# Altium PCB PROC054D_MMWCAS_RF_EVM_ASCII.PcbDoc (part 1 of 13) (continued)
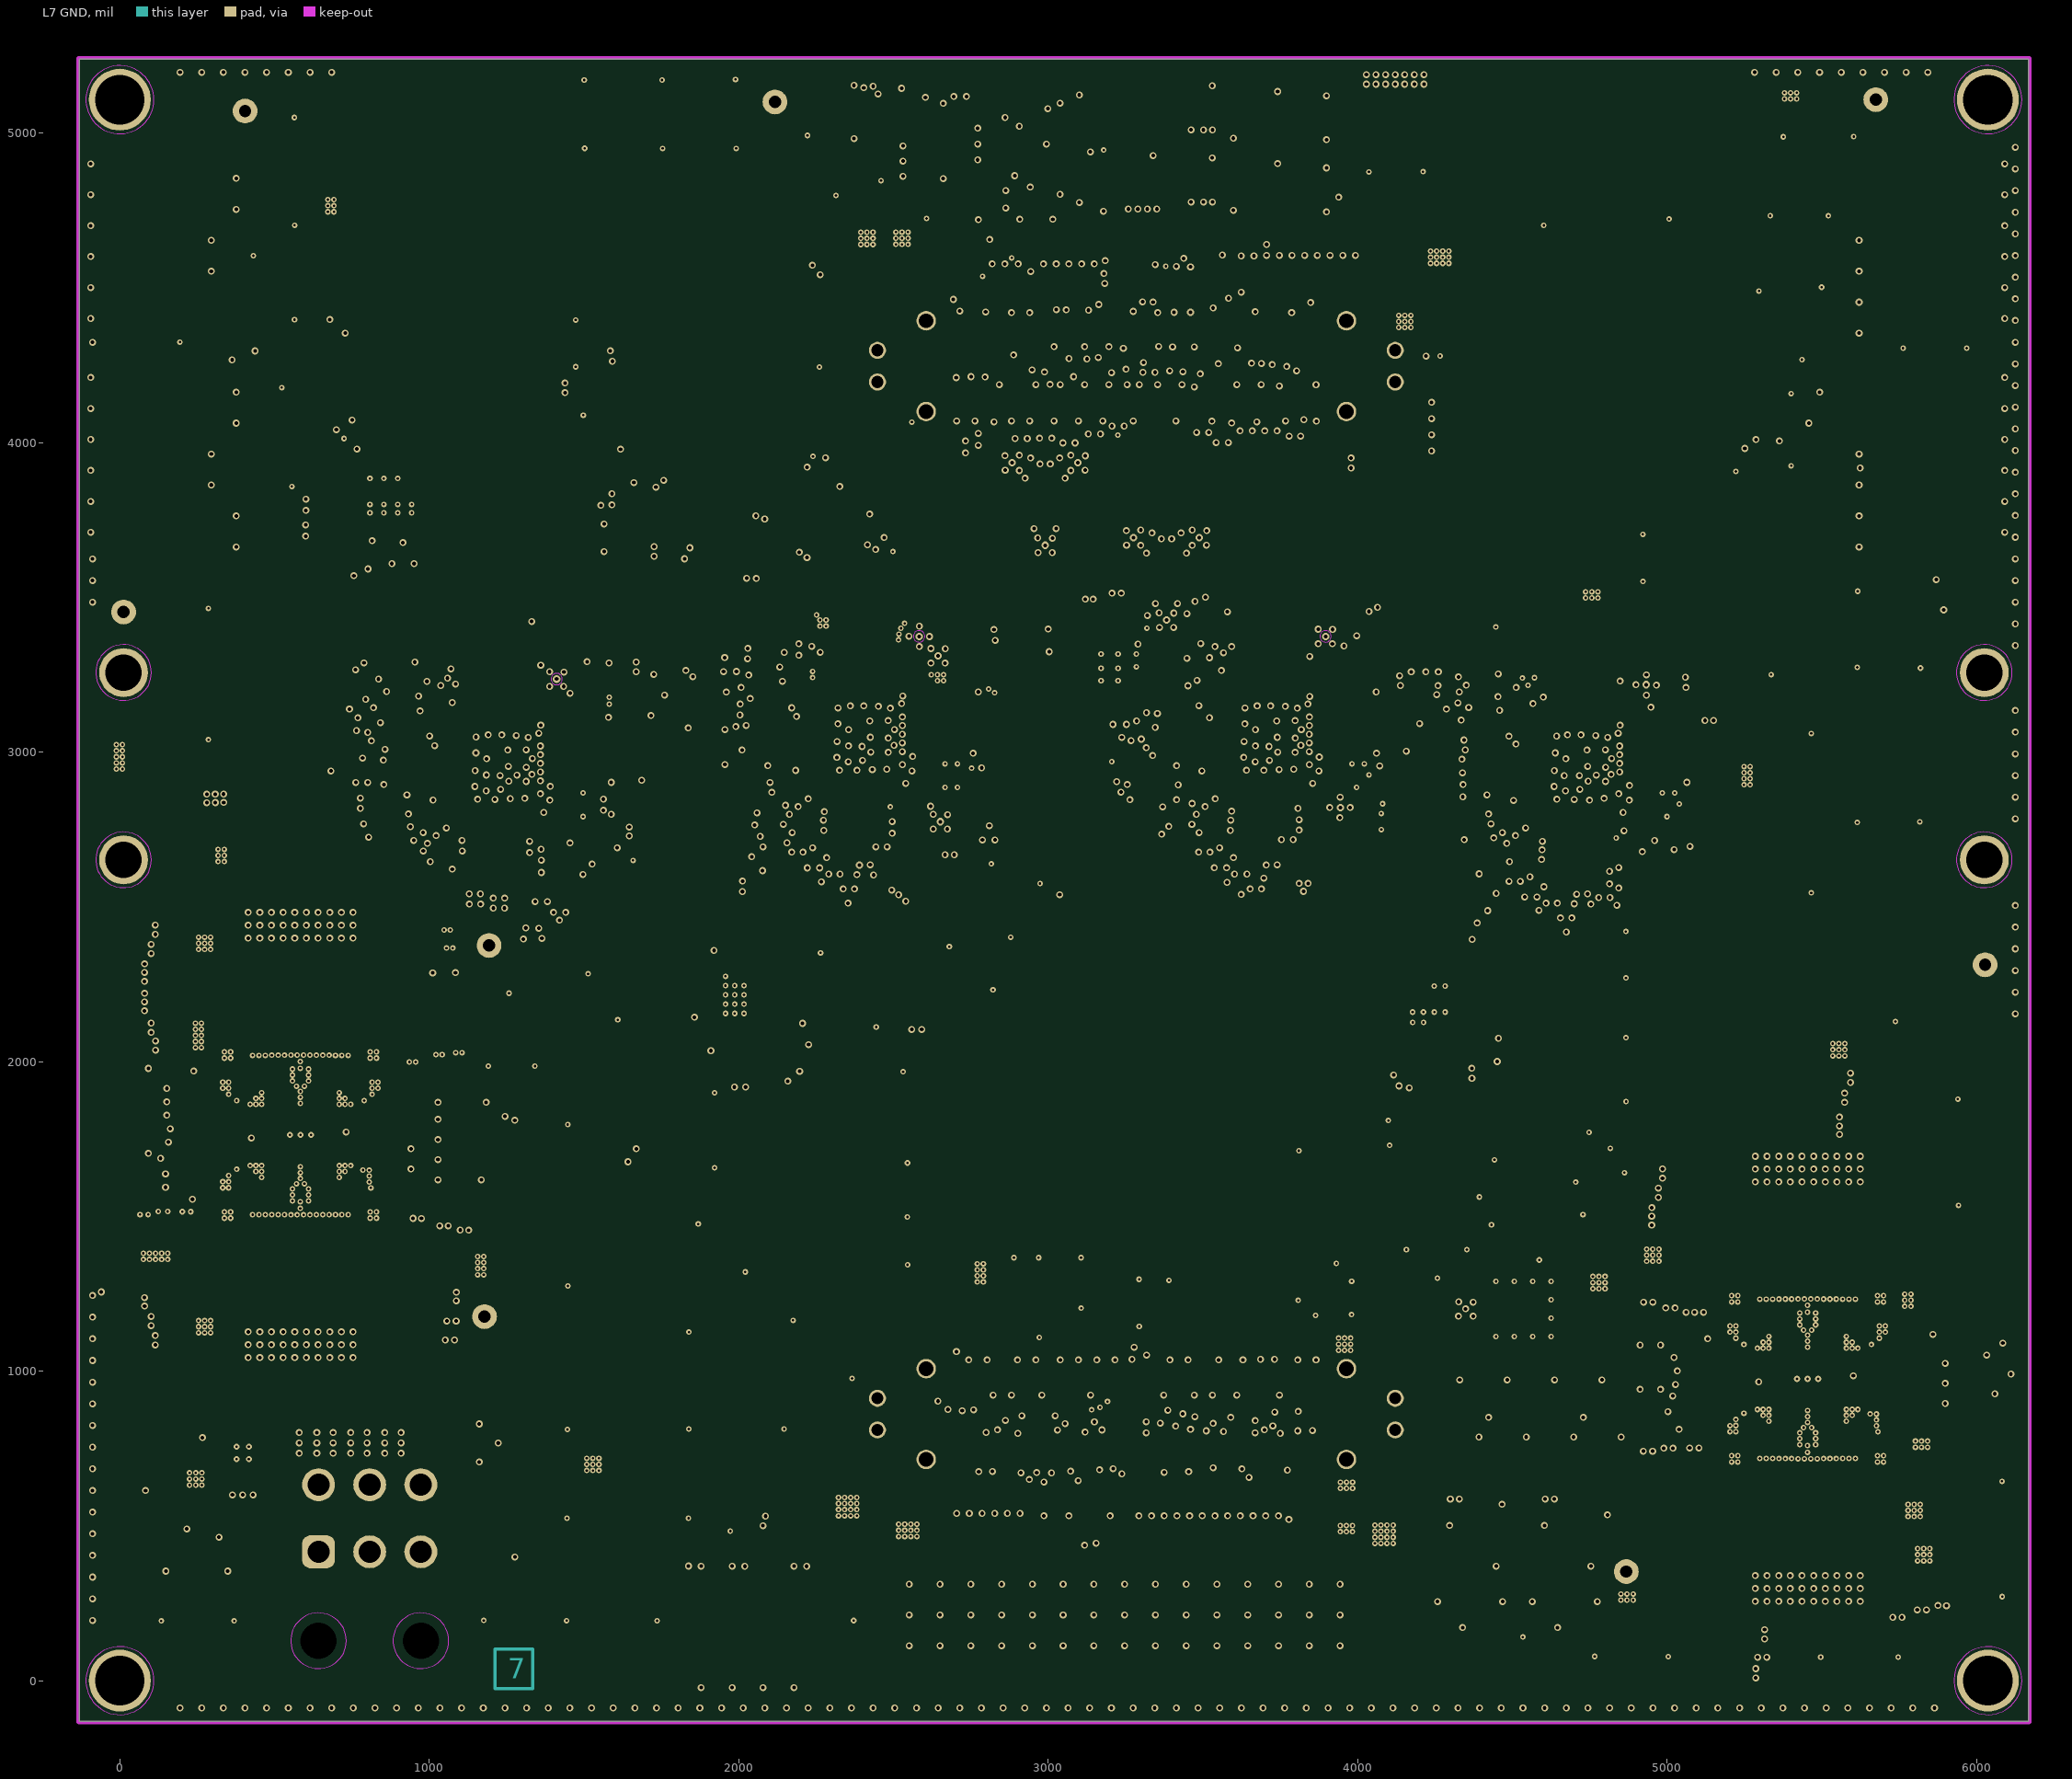
[diagram p7: L7 GND]

## Layer stack, top to bottom
Top Solder: solder mask 0.8, Solder Resist, Dk 3.5
L1 TOP: signal copper 1.6
Dielectric 1: core 5, RO3003, Dk 3
L2 GND: signal copper 0.8
Dielectric2: prepreg 5, RO4450F, Dk 4.2
L3 SIGNAL 1: signal copper 0.6
Dielectric3: core 10.7, RO4835 LOPRO, Dk 3.66
L4 GND: signal copper 0.6
Dielectric4: prepreg 5, 370HR, Dk 4.2
L5 SIGNAL 2: signal copper 1.2
Dielectric5: core 10, 370HR, Dk 4.34
L6 SIGNAL 3: signal copper 0.6
Dielectric6: prepreg 5, 370HR, Dk 4.2
L7 GND: signal copper 0.8
Dielectric7: core 5, 370HR, Dk 4.34
L8 BOTTOM: signal copper 1.6
Bottom Solder: solder mask 0.8, Solder Resist, Dk 3.5

## Board outline
-131,-131 6168.21,-131 6168.21,5239.07 -131,5239.07

## Design rules (kind name [scope] priority, off if disabled: settings)
AcuteAngle [All] p0: scope1count=1 scope1_0_kind=Board scope1_0_value=Board scope2count=1 scope2_0_kind=Board scope2_0_value=Board commentlength=0 minimum=4.00000000000000E+0001
AcuteAngle [All] p1: minimum=4.00000000000000E+0001 checktracksonly=TRUE
AssemblyTestPointUsage [All] p0: scope1count=1 scope1_0_kind=Board scope1_0_value=Board scope2count=1 scope2_0_kind=Board scope2_0_value=Board commentlength=0
AssemblyTestpoint [All] p0: scope1count=1 scope1_0_kind=Board scope1_0_value=Board scope2count=1 scope2_0_kind=Board scope2_0_value=Board commentlength=0
BoardOutlineClearance [All] p0: scope1count=1 scope1_0_kind=Board scope1_0_value=Board scope2count=1 scope2_0_kind=Board scope2_0_value=Board commentlength=0 gap=25
BoardOutlineClearance [All] p1: gap=25 ignorepadtopadclearanceinfootprint=FALSE except(0: Text-OutlineEdge Text-CavityEdge Text-CutoutEdge Text-SplitBarrior Text-SplitContinuation)
Clearance Clearance_FMCW_L3_All [All] p0 off: scope1count=1 scope1_0_kind=Board scope1_0_value=Board scope2count=1 scope2_0_kind=Board scope2_0_value=Board commentlength=104 gap=50 // Protel DXP Scope 1 Expression Was: InNetClass('FMCW') and (istrack or IsArc)  and InLayerClass('L3')
Clearance Clearance_GND-Pad [All] p0 off: scope1count=1 scope1_0_kind=Board scope1_0_value=Board scope2count=1 scope2_0_kind=Board scope2_0_value=Board commentlength=45 gap=9 // Protel DXP Scope 2 Expression Was: InPoly
Clearance Clearance_L8_Diff_4W [All] p0 off: scope1count=1 scope1_0_kind=Board scope1_0_value=Board scope2count=1 scope2_0_kind=Board scope2_0_value=Board commentlength=73 gap=21 // Protel DXP Scope 2 Expression Was: Istrack and InLayerClass('Bottom')
Clearance Clearance_L6_Diff_4W [All] p0 off: scope1count=1 scope1_0_kind=Board scope1_0_value=Board scope2count=1 scope2_0_kind=Board scope2_0_value=Board commentlength=69 gap=16 // Protel DXP Scope 2 Expression Was: Istrack and InLayerClass('L6')
Clearance "Clearance_Power Divider_1" [All] p0 off: scope1count=1 scope1_0_kind=Board scope1_0_value=Board scope2count=1 scope2_0_kind=Board scope2_0_value=Board commentlength=87 gap=8 // Protel DXP Scope 2 Expression Was: InNet('GND') and InLayerClass('Top')  and InPoly
Clearance "Clearance_Power Divider" [All] p0 off: scope1count=1 scope1_0_kind=Board scope1_0_value=Board scope2count=1 scope2_0_kind=Board scope2_0_value=Board commentlength=115 gap=7 // Protel DXP Scope 1 Expression Was: InLayerClass('Top') and All and (WithinRoom('Room5') or WithinRoom('Room6'))
Clearance Clearance_FMCW_L3_All_Room [All] p0 off: scope1count=1 scope1_0_kind=Board scope1_0_value=Board scope2count=1 scope2_0_kind=Board scope2_0_value=Board commentlength=227 gap=8 // Protel DXP Scope 2 Expression Was: IsVia and (WithinRoom('A1') or WithinRoom('A2') or WithinRoom('A3') or WithinRoom('A4') or WithinRoom('A5') or WithinRoom('A6') or WithinRoom('A7') or WithinRoom('A8') or WithinRoom('A9'))
Clearance Clearance_20GHz [All] p0 off: scope1count=1 scope1_0_kind=Board scope1_0_value=Board scope2count=1 scope2_0_kind=Board scope2_0_value=Board commentlength=62 gap=7 // Protel DXP Scope 2 Expression Was: InPoly and InNet('GND')
Clearance "Clearance_Internal Poly" [All] p0 off: scope1count=1 scope1_0_kind=Board scope1_0_value=Board scope2count=1 scope2_0_kind=Board scope2_0_value=Board commentlength=139 gap=5 // Protel DXP Scope 2 Expression Was: isvia and (WithinRoom('Room1') or WithinRoom('Room2') or WithinRoom('Room3') or WithinRoom('Room4'))
Clearance Clearance_FMCW_L3_Poly [All] p0 off: scope1count=1 scope1_0_kind=Board scope1_0_value=Board scope2count=1 scope2_0_kind=Board scope2_0_value=Board commentlength=80 gap=200 // Protel DXP Scope 2 Expression Was: (isarc or istrack) AND InNetClass('FMCW')
Clearance Clearance_Keepout [All] p0 off: scope1count=1 scope1_0_kind=Board scope1_0_value=Board scope2count=1 scope2_0_kind=Board scope2_0_value=Board commentlength=48 gap=1 // Protel DXP Scope 1 Expression Was: IsKeepOut
Clearance Clearance_Antenna [All] p0 off: scope1count=1 scope1_0_kind=NetClass scope1_0_value=Antenna scope2count=1 scope2_0_kind=Board scope2_0_value=Board commentlength=86 gap=10 // Protel DXP Scope 2 Expression Was: InPoly and InNet('GND') and InLayerClass('Top')
Clearance Clearance_Poly [All] p0 off: scope1count=1 scope1_0_kind=Board scope1_0_value=Board scope2count=1 scope2_0_kind=Board scope2_0_value=Board commentlength=48 gap=10 // Protel DXP Scope 2 Expression Was: InPolygon
Clearance Clearance_BGA [All] p0 off: scope1count=1 scope1_0_kind=Board scope1_0_value=Board scope2count=1 scope2_0_kind=Board scope2_0_value=Board commentlength=137 gap=4 // Protel DXP Scope 1 Expression Was: (WithinRoom('Room1') or WithinRoom('Room2') or WithinRoom('Room3') or WithinRoom('Room4')) and All
Clearance [All] p0: scope1count=1 scope1_0_kind=Board scope1_0_value=Board scope2count=1 scope2_0_kind=Board scope2_0_value=Board commentlength=0 gap=5
Clearance Clearance_L3_4W [All] p0 off: scope1count=1 scope1_0_kind=Board scope1_0_value=Board scope2count=1 scope2_0_kind=Board scope2_0_value=Board commentlength=68 gap=15.3 // Protel DXP Scope 2 Expression Was: InLayerClass('L3') and inpoly
Clearance Clearance_L6_4W [All] p0 off: scope1count=1 scope1_0_kind=Board scope1_0_value=Board scope2count=1 scope2_0_kind=Board scope2_0_value=Board commentlength=68 gap=21 // Protel DXP Scope 2 Expression Was: InLayerClass('L6') and inpoly
Clearance Clearance_L8_4W [All] p0 off: scope1count=1 scope1_0_kind=Board scope1_0_value=Board scope2count=1 scope2_0_kind=Board scope2_0_value=Board commentlength=93 gap=23.5 // Protel DXP Scope 2 Expression Was: InLayerClass('Bottom') and inpoly and not InNet('GND')
Clearance Clearance_TX_RX [All] p0 off: scope1count=1 scope1_0_kind=Board scope1_0_value=Board scope2count=1 scope2_0_kind=Board scope2_0_value=Board commentlength=44 gap=4 // Protel DXP Scope 2 Expression Was: isvia
Clearance Clearance_TX_RX [(InNetClass('TX') or InNetClass('RX')) and (istrack or IsArc or IsRegion) vs isvia] p1: gap=4 ignorepadtopadclearanceinfootprint=TRUE
Clearance Clearance_L3_4W [istrack and (InNetClass('12XX_CLOCK') or InNetClass('12XX_SYNC')) vs InLayerClass('L3') and inpoly] p2: gap=15.3 ignorepadtopadclearanceinfootprint=TRUE
Clearance Clearance_L6_4W [istrack and (InNetClass('12XX_CLOCK') or InNetClass('12XX_SYNC')) vs InLayerClass('L6') and inpoly] p3: gap=21 ignorepadtopadclearanceinfootprint=TRUE
Clearance Clearance_L8_4W [istrack and (InNetClass('12XX_CLOCK') or InNetClass('12XX_SYNC')) vs InLayerClass('Bottom') and inpoly and not InNet('GND')] p4: gap=23.5 ignorepadtopadclearanceinfootprint=TRUE
Clearance Clearance_GND-Pad [(WithinRoom('GND_Rule1') or WithinRoom('GND_Rule2') or WithinRoom('GND_Rule3') or WithinRoom('GND_Rule4')) and IsPad vs InPoly] p5: gap=9 ignorepadtopadclearanceinfootprint=TRUE
Clearance Clearance_L8_Diff_4W [InAnyDifferentialPair and IsTrack vs Istrack and InLayerClass('Bottom')] p6: gap=21 ignorepadtopadclearanceinfootprint=TRUE
Clearance Clearance_L6_Diff_4W [InAnyDifferentialPair and IsTrack vs Istrack and InLayerClass('L6')] p7: gap=16 ignorepadtopadclearanceinfootprint=TRUE
Clearance "Clearance_Power Divider_1" [isvia and InNetClass('FMCW') and (WithinRoom('Room5') OR WithinRoom('Room6')) vs InNet('GND') and InLayerClass('Top')  and InPoly] p8: gap=8 ignorepadtopadclearanceinfootprint=TRUE except(8.01: Via-Poly)
Clearance "Clearance_Power Divider" [InLayerClass('Top') and All and (WithinRoom('Room5') or WithinRoom('Room6'))] p9: gap=7 ignorepadtopadclearanceinfootprint=TRUE except(4.6: Via-Region; 5.9: Track-Via; 6.6: SMDPad-Poly SMDPad-Region; 8.01: Via-Poly)
Clearance Clearance_FMCW_L3_All_Room [InNetClass('FMCW') and (istrack or IsArc)  and InLayerClass('L3') vs IsVia and (WithinRoom('A1') or WithinRoom('A2') or WithinRoom('A3') or WithinRoom('A4') or WithinRoom('A5') or WithinRoom('A6') or WithinRoom('A7') or WithinRoom('A8') or WithinRoom('A9'))] p10: gap=8 ignorepadtopadclearanceinfootprint=TRUE
Clearance Clearance_FMCW_L3_All [InNetClass('FMCW') and (istrack or IsArc)  and InLayerClass('L3')] p11: gap=50 ignorepadtopadclearanceinfootprint=TRUE except(200: Arc-Poly Track-Poly)
Clearance Clearance_20GHz [IsRegion and InNetClass('20GHz') vs InPoly and InNet('GND')] p12: gap=7 ignorepadtopadclearanceinfootprint=TRUE
Clearance "Clearance_Internal Poly" [InPoly and InLayerClass('Internal') vs isvia and (WithinRoom('Room1') or WithinRoom('Room2') or WithinRoom('Room3') or WithinRoom('Room4'))] p13: gap=5 ignorepadtopadclearanceinfootprint=TRUE
Clearance Clearance_FMCW_L3_Poly [InLayerClass('L3') and InPoly vs (isarc or istrack) AND InNetClass('FMCW')] p14: gap=200 ignorepadtopadclearanceinfootprint=TRUE
Clearance Clearance_Keepout [IsKeepOut] p15: gap=1 ignorepadtopadclearanceinfootprint=TRUE except(0: Arc-SMDPad)
Clearance Clearance_Antenna [InNetClass('Antenna') vs InPoly and InNet('GND') and InLayerClass('Top')] p16: gap=10 ignorepadtopadclearanceinfootprint=FALSE except(4.16: Arc-Poly Track-Poly; 4.69: Poly-Region; 8.01: Via-Poly)
Clearance Clearance_Poly [All vs InPolygon] p17: gap=10 ignorepadtopadclearanceinfootprint=FALSE except(8: Via-Poly; 15: Poly-Poly Poly-Region)
Clearance Clearance_BGA [(WithinRoom('Room1') or WithinRoom('Room2') or WithinRoom('Room3') or WithinRoom('Room4')) and All] p18: gap=4 ignorepadtopadclearanceinfootprint=TRUE
Clearance [All] p19: gap=5 ignorepadtopadclearanceinfootprint=TRUE
ComponentClearance [All] p0: scope1count=1 scope1_0_kind=Board scope1_0_value=Board scope2count=1 scope2_0_kind=Board scope2_0_value=Board commentlength=0 gap=10 collisioncheckmode=3
DiffPairsRouting [All] p0: scope1count=1 scope1_0_kind=Board scope1_0_value=Board scope2count=1 scope2_0_kind=Board scope2_0_value=Board commentlength=0
DiffPairsRouting [All] p1: maxlimit=10 minlimit=5.5 mostfreqgap=7 toplayer_maxgap=5.5 toplayer_prefgap=5.5 toplayer_minwidth=4 toplayer_maxwidth=6.5 toplayer_prefwidth=6.5 midlayer1_prefgap=5.5 midlayer1_minwidth=4 midlayer1_maxwidth=15 midlayer1_prefwidth=15 midlayer2_prefgap=5.5 midlayer2_minwidth=4 midlayer2_maxwidth=15 midlayer2_prefwidth=15 midlayer3_prefgap=5.5 midlayer3_minwidth=4 midlayer3_maxwidth=15 midlayer3_prefwidth=15 midlayer4_prefgap=5.5 midlayer4_minwidth=4 midlayer4_maxwidth=15 midlayer4_prefwidth=15 midlayer5_mingap=7 midlayer5_maxgap=7 midlayer5_minwidth=5 midlayer5_maxwidth=5 midlayer5_prefwidth=5 midlayer6_prefgap=5.5 midlayer6_minwidth=4 midlayer6_maxwidth=15 midlayer6_prefwidth=15 bottomlayer_mingap=6.75 bottomlayer_maxgap=6.75 bottomlayer_prefgap=6.75 bottomlayer_minwidth=5.25 bottomlayer_maxwidth=5.25 bottomlayer_prefwidth=5.25 maxuncoupledlength=500
FabricationTestPointUsage [All] p0: scope1count=1 scope1_0_kind=Board scope1_0_value=Board scope2count=1 scope2_0_kind=Board scope2_0_value=Board commentlength=0 valid=0 allowmultiple=FALSE
FabricationTestpoint [All] p0: scope1count=1 scope1_0_kind=Board scope1_0_value=Board scope2count=1 scope2_0_kind=Board scope2_0_value=Board commentlength=0 side=3 testpointundercomponent=TRUE minsize=40 maxsize=100 preferedsize=60 minholesize=0 maxholesize=40 preferedholesize=32 testpointgrid=1
FanoutControl Fanout_BGA [All] p0 off: scope1count=1 scope1_0_kind=Board scope1_0_value=Board scope2count=1 scope2_0_kind=Board scope2_0_value=Board commentlength=69 // Protel DXP Scope 1 Expression Was: IsBGA   Fanout_BGA (Default Rule)
FanoutControl Fanout_LCC [All] p0 off: scope1count=1 scope1_0_kind=Board scope1_0_value=Board scope2count=1 scope2_0_kind=Board scope2_0_value=Board commentlength=69 // Protel DXP Scope 1 Expression Was: IsLCC   Fanout_LCC (Default Rule)
FanoutControl Fanout_SOIC [All] p0 off: scope1count=1 scope1_0_kind=Board scope1_0_value=Board scope2count=1 scope2_0_kind=Board scope2_0_value=Board commentlength=71 // Protel DXP Scope 1 Expression Was: IsSOIC   Fanout_SOIC (Default Rule)
FanoutControl Fanout_Small [All] p0 off: scope1count=1 scope1_0_kind=Board scope1_0_value=Board scope2count=1 scope2_0_kind=Board scope2_0_value=Board commentlength=84 // Protel DXP Scope 1 Expression Was: (CompPinCount < 5)   Fanout_Small (Default Rule)
FanoutControl Fanout_Default [All] p0: scope1count=1 scope1_0_kind=Board scope1_0_value=Board scope2count=1 scope2_0_kind=Board scope2_0_value=Board commentlength=30 // Fanout_Default (Default Rule)
Height [All] p0: scope1count=1 scope1_0_kind=Board scope1_0_value=Board scope2count=1 scope2_0_kind=Board scope2_0_value=Board commentlength=0
HoleSize [All] p0: scope1count=1 scope1_0_kind=Board scope1_0_value=Board scope2count=1 scope2_0_kind=Board scope2_0_value=Board commentlength=0 absolutevalues=TRUE maxlimit=200 minlimit=5.9 maxpercent=80.000 minpercent=20.000
HoleSize [All] p1: absolutevalues=TRUE maxlimit=200 minlimit=5.9 maxpercent=80.000 minpercent=20.000
HoleToHoleClearance [All] p0: scope1count=1 scope1_0_kind=Board scope1_0_value=Board scope2count=1 scope2_0_kind=Board scope2_0_value=Board commentlength=0
LayerPairs [All] p0: scope1count=1 scope1_0_kind=Board scope1_0_value=Board scope2count=1 scope2_0_kind=Board scope2_0_value=Board commentlength=0 enforce=TRUE
MinimumAnnularRing MinimumAnnularRing_Via [All] p0 off: scope1count=1 scope1_0_kind=Board scope1_0_value=Board scope2count=1 scope2_0_kind=Board scope2_0_value=Board commentlength=44 minimumring=3.9 // Protel DXP Scope 1 Expression Was: IsVia
MinimumAnnularRing [All] p0: scope1count=1 scope1_0_kind=Board scope1_0_value=Board scope2count=1 scope2_0_kind=Board scope2_0_value=Board commentlength=0 minimumring=7.5
MinimumAnnularRing MinimumAnnularRing_Via [IsVia] p1: minimumring=3.9
MinimumAnnularRing [All] p2: minimumring=7.5
MinimumSolderMaskSliver [All] p0: scope1count=1 scope1_0_kind=Board scope1_0_value=Board scope2count=1 scope2_0_kind=Board scope2_0_value=Board commentlength=0
MinimumSolderMaskSliver [All] p1: minsoldermaskwidth=4
NetAntennae [All] p0: scope1count=1 scope1_0_kind=Board scope1_0_value=Board scope2count=1 scope2_0_kind=Board scope2_0_value=Board commentlength=0
PasteMaskExpansion [All] p0: scope1count=1 scope1_0_kind=Board scope1_0_value=Board scope2count=1 scope2_0_kind=Board scope2_0_value=Board commentlength=0 expansion=0
PlaneClearance [All] p0: scope1count=1 scope1_0_kind=Board scope1_0_value=Board scope2count=1 scope2_0_kind=Board scope2_0_value=Board commentlength=0 clearance=20
PlaneConnect [All] p0: scope1count=1 scope1_0_kind=Board scope1_0_value=Board scope2count=1 scope2_0_kind=Board scope2_0_value=Board commentlength=0 planeconnectstyle=Direct reliefexpansion=20 reliefentries=4 reliefconductorwidth=10 reliefairgap=10
PlaneConnect [All] p1: planeconnectstyle=Direct reliefexpansion=20 reliefentries=4 reliefconductorwidth=10 reliefairgap=10
PolygonConnect [All] p0: scope1count=1 scope1_0_kind=Board scope1_0_value=Board scope2count=1 scope2_0_kind=Board scope2_0_value=Board commentlength=0 connectstyle=Direct reliefconductorwidth=25 reliefentries=4 polygonreliefangle="90 Angle"
PolygonConnect [All] p1: connectstyle=Direct reliefconductorwidth=25 reliefentries=4 polygonreliefangle="90 Angle" airgapwidth=10
RoomDefinition A9 [All] p0: scope1count=1 scope1_0_kind=Board scope1_0_value=Board scope2count=1 scope2_0_kind=Board scope2_0_value=Board commentlength=0 region_x1=50692368 region_y1=29118137 region_x2=53336086 region_y2=30250096 confinementstyle=ConfineOut
RoomDefinition A8 [All] p0: scope1count=1 scope1_0_kind=Board scope1_0_value=Board scope2count=1 scope2_0_kind=Board scope2_0_value=Board commentlength=0 region_x1=35220733 region_y1=44795351 region_x2=36772535 region_y2=46119555 confinementstyle=ConfineOut
RoomDefinition A7 [All] p0: scope1count=1 scope1_0_kind=Board scope1_0_value=Board scope2count=1 scope2_0_kind=Board scope2_0_value=Board commentlength=0 region_x1=48187540 region_y1=44875018 region_x2=49534335 region_y2=46335697 confinementstyle=ConfineOut
RoomDefinition A6 [All] p0: scope1count=1 scope1_0_kind=Board scope1_0_value=Board scope2count=1 scope2_0_kind=Board scope2_0_value=Board commentlength=0 region_x1=57998201 region_y1=49295653 region_x2=59412929 region_y2=51020381 confinementstyle=ConfineOut
RoomDefinition A5 [All] p0: scope1count=1 scope1_0_kind=Board scope1_0_value=Board scope2count=1 scope2_0_kind=Board scope2_0_value=Board commentlength=0 region_x1=47588894 region_y1=50955136 region_x2=48600124 region_y2=53079398 confinementstyle=ConfineOut
RoomDefinition A4 [All] p0: scope1count=1 scope1_0_kind=ComponentClass scope1_0_value="Components Class 2" scope2count=1 scope2_0_kind=Board scope2_0_value=Board commentlength=0 region_x1=40838232 region_y1=50554768 region_x2=45154811 region_y2=55740181 confinementstyle=ConfineIn
RoomDefinition A3 [All] p0: scope1count=1 scope1_0_kind=ComponentClass scope1_0_value="Components Class 1" scope2count=1 scope2_0_kind=Board scope2_0_value=Board commentlength=0 region_x1=36942126 region_y1=53236081 region_x2=40726669 region_y2=57397877 confinementstyle=ConfineIn
RoomDefinition A2 [All] p0: scope1count=1 scope1_0_kind=Board scope1_0_value=Board scope2count=1 scope2_0_kind=Board scope2_0_value=Board commentlength=0 region_x1=34195080 region_y1=49766275 region_x2=36711686 region_y2=52210708 confinementstyle=ConfineOut
RoomDefinition A1 [All] p0: scope1count=1 scope1_0_kind=Board scope1_0_value=Board scope2count=1 scope2_0_kind=Board scope2_0_value=Board commentlength=0 region_x1=22605865 region_y1=49353850 region_x2=24034183 region_y2=51056844 confinementstyle=ConfineOut
RoomDefinition GND_Rule2 [All] p0: scope1count=1 scope1_0_kind=Board scope1_0_value=Board scope2count=1 scope2_0_kind=Board scope2_0_value=Board commentlength=0 region_x1=34746716 region_y1=46145155 region_x2=35402030 region_y2=47056895 confinementstyle=ConfineOut
RoomDefinition Room6 [All] p0: scope1count=1 scope1_0_kind=ComponentClass scope1_0_value="Components Class 2" scope2count=1 scope2_0_kind=Board scope2_0_value=Board commentlength=0 region_x1=41474681 region_y1=51488354 region_x2=44628158 region_y2=55185852 confinementstyle=ConfineIn
RoomDefinition Room5 [All] p0: scope1count=1 scope1_0_kind=ComponentClass scope1_0_value="Components Class 1" scope2count=1 scope2_0_kind=Board scope2_0_value=Board commentlength=0 region_x1=37578500 region_y1=53862399 region_x2=40667781 region_y2=57433500 confinementstyle=ConfineIn
RoomDefinition Room2 [All] p0: scope1count=1 scope1_0_kind=ComponentClass scope1_0_value=Designator scope2count=1 scope2_0_kind=Board scope2_0_value=Board commentlength=0 region_x1=52612041 region_y1=44403279 region_x2=58782874 region_y2=49739800 confinementstyle=ConfineIn
RoomDefinition Room3 [All] p0: scope1count=1 scope1_0_kind=ComponentClass scope1_0_value=40MHZ_CLOCK scope2count=1 scope2_0_kind=Board scope2_0_value=Board commentlength=0 region_x1=42449226 region_y1=45513340 region_x2=48505967 region_y2=51566500 confinementstyle=ConfineIn
RoomDefinition GND_Rule1 [All] p0: scope1count=1 scope1_0_kind=Board scope1_0_value=Board scope2count=1 scope2_0_kind=Board scope2_0_value=Board commentlength=0 region_x1=23016880 region_y1=45244147 region_x2=23672194 region_y2=46155887 confinementstyle=ConfineOut
RoomDefinition GND_Rule3 [All] p0: scope1count=1 scope1_0_kind=Board scope1_0_value=Board scope2count=1 scope2_0_kind=Board scope2_0_value=Board commentlength=0 region_x1=47872386 region_y1=46100414 region_x2=48527700 region_y2=47012154 confinementstyle=ConfineOut
RoomDefinition GND_Rule4 [All] p0: scope1count=1 scope1_0_kind=Board scope1_0_value=Board scope2count=1 scope2_0_kind=Board scope2_0_value=Board commentlength=0 region_x1=57901994 region_y1=45159465 region_x2=58557308 region_y2=46071205 confinementstyle=ConfineOut
RoomDefinition Room4 [All] p0: scope1count=1 scope1_0_kind=ComponentClass scope1_0_value=Designator scope2count=1 scope2_0_kind=Board scope2_0_value=Board commentlength=0 region_x1=17755768 region_y1=44506170 region_x2=24203413 region_y2=50141959 confinementstyle=ConfineIn
RoomDefinition Room1 [All] p0: scope1count=1 scope1_0_kind=ComponentClass scope1_0_value=12XX_4 scope2count=1 scope2_0_kind=Board scope2_0_value=Board commentlength=0 region_x1=29571792 region_y1=45005500 region_x2=35635588 region_y2=51520700 confinementstyle=ConfineIn